# Altium PCB mainboard.PcbDoc (continued)
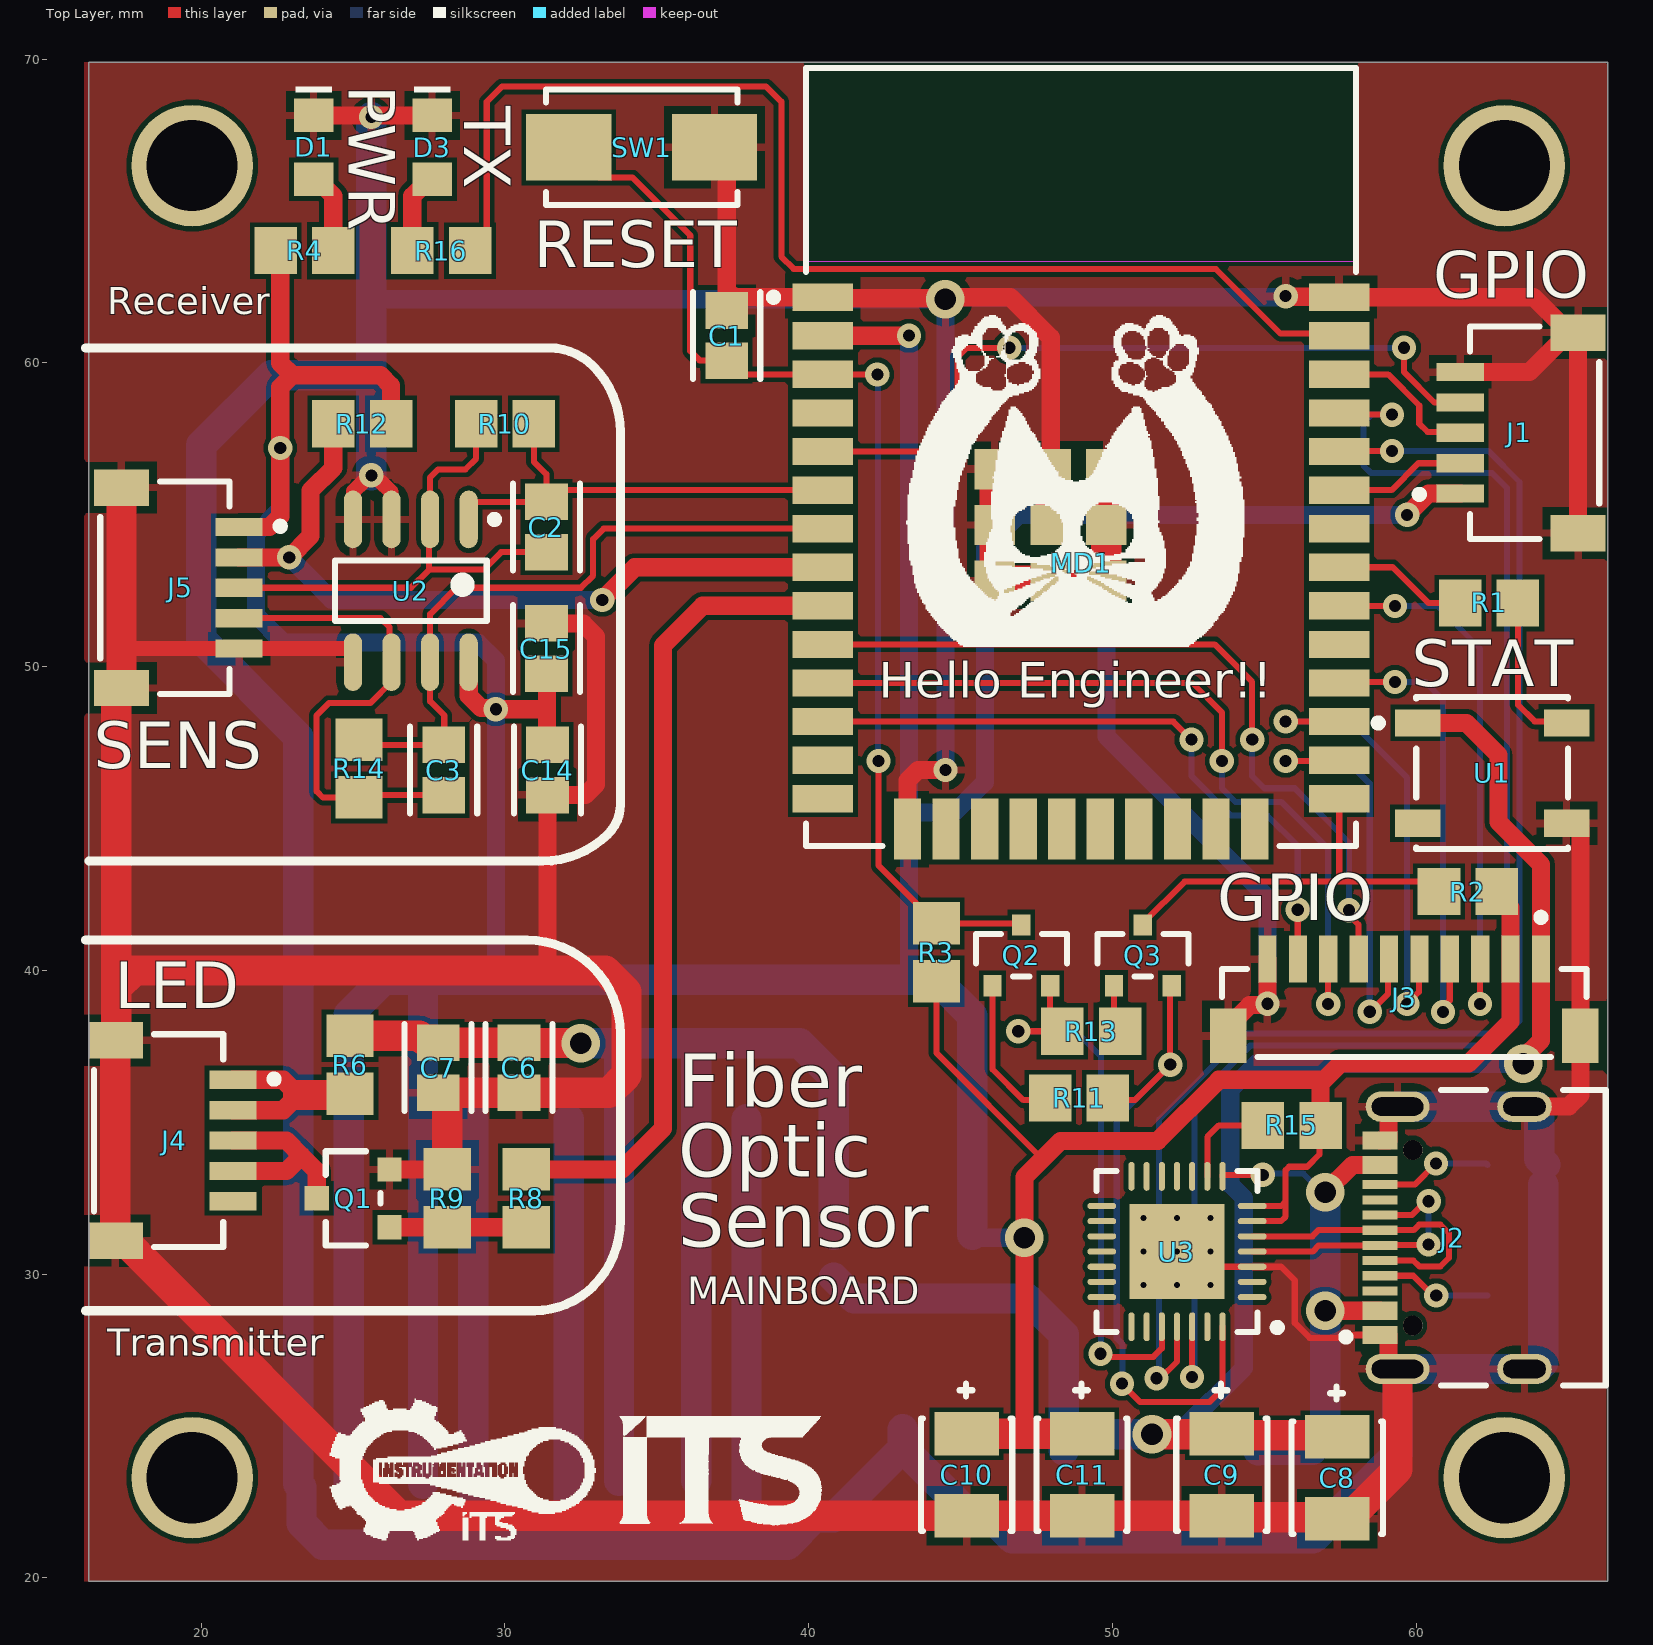
[diagram p0: Top Layer view]
## Footprints (in the part's own frame and the unit in brackets; to place one, negate y for a bottom-side part, rotate by r counter-clockwise, add the part's x,y. Pads: shape width x height; smd on the part's side, far side on the other; paste and mask are expansions set on the pad)
ADA-RGB-1655_V [mm] "SMD, 4-Leads, Body 5x5mm"
  rect 1.5x0.9 smd: 1(-2.45,1.65) 2(-2.45,-1.65) 3(2.45,-1.65) 4(2.45,1.65)
  silkscreen extent -3.87,-2.5 2.5,2.5, body extent -2.7,-2.5 2.7,2.5, height 1.68
ADI-R-8_L [mm] "SOIC, 8-Leads, Body 4.9x3.9mm, Pitch 1.27mm, IPC High Density"
  oval 1.9x0.6 smd: 1(-2.35,1.905) 2(-2.35,0.635) 3(-2.35,-0.635) 4(-2.35,-1.905) 5(2.35,-1.905) 6(2.35,-0.635) 7(2.35,0.635) 8(2.35,1.905)
  silkscreen extent -2.47,-2.5 1,2.88, body extent -2,-2.5 2,2.5, height 1.75
FP-95402-MFG [mm]
  rect 1.72x3.2 smd paste+0 mask+0: 1(-3.205,0) 2(3.205,0)
  silkscreen extent -4.82,-3.11 3.55,3.11, body extent -3.97,-2.95 3.97,2.95, height 2.62
FP-147873-1-MFG [mm]
  rect 2.8x2.2 smd paste+0 mask+0: 1(-2.4,0) 2(2.4,0)
  silkscreen extent -3.15,-1.9 3.15,1.9, body extent -3.9,-2 3.9,2, height 0.25
FP-BM10B-SRSS-TBT_LF_SN-MFG [mm]
  rect 0.6x1.55 smd paste+0 mask+0: 1(-4.5,-1.775) 2(-3.5,-1.775) 3(-2.5,-1.775) 4(-1.5,-1.775) 5(-0.5,-1.775) 6(0.5,-1.775) 7(1.5,-1.775) 8(2.5,-1.775) 9(3.5,-1.775) 10(4.5,-1.775)
  rect 1.2x1.8 smd paste+0 mask+0: 11(-5.8,0.75) 12(5.8,0.75)
  silkscreen extent -6,-3.27 6,1.45, body extent -6.5,-2.65 6.5,1.75, height 0.25
FP-ESP32-WROOM-32-MFG [mm]
  rect 2x0.9 smd paste+0 mask+0: 1(-8.5,5.26) 2(-8.5,3.99) 3(-8.5,2.72) 4(-8.5,1.45) 5(-8.5,0.18) 6(-8.5,-1.09) 7(-8.5,-2.36) 8(-8.5,-3.63) 9(-8.5,-4.9) 10(-8.5,-6.17) 11(-8.5,-7.44) 12(-8.5,-8.71) 13(-8.5,-9.98) 14(-8.5,-11.25) 25(8.5,-11.25) 26(8.5,-9.98) 27(8.5,-8.71) 28(8.5,-7.44) 29(8.5,-6.17) 30(8.5,-4.9) 31(8.5,-3.63) 32(8.5,-2.36) 33(8.5,-1.09) 34(8.5,0.18) 35(8.5,1.45) 36(8.5,2.72) 37(8.5,3.99) 38(8.5,5.26)
  rect 0.9x2 smd paste+0 mask+0: 15(-5.715,-12.25) 16(-4.445,-12.25) 17(-3.175,-12.25) 18(-1.905,-12.25) 19(-0.635,-12.25) 20(0.635,-12.25) 21(1.905,-12.25) 22(3.175,-12.25) 23(4.445,-12.25) 24(5.715,-12.25)
  rect 1.33x1.33 smd paste+0 mask+0: 39(-2.835,-4.075) 39(-2.835,-2.24) 39(-2.835,-0.405) 39(-1,-4.075) 39(-1,-2.24) 39(-1,-0.405) 39(0.835,-4.075) 39(0.835,-2.24) 39(0.835,-0.405)
  Keep-Out Layer region: -9,6.45 9,6.45 9,12.75 -9,12.75
  Keep-Out Layer region: -9,6.45 9,6.45 9,12.75 -9,12.75
  silkscreen extent -10.25,-12.8 9.05,12.8, body extent -9.6,-13.35 9.6,12.9, height 0.25
FP-GRM21B-0_15-IPC_B [mm]
  rect 1.206x1.408 smd paste+0 mask+0: 1(-0.826,0) 2(0.826,0)
  silkscreen extent -1.43,-1.1 1.43,1.1, body extent -1.68,-0.95 1.68,0.95, height 0.25
FP-SM05B-SRSS-G-TB_LF_SN-MFG [mm]
  rect 0.6x1.55 smd paste+0 mask+0: 1(-2,2.45) 2(-1,2.45) 3(0,2.45) 4(1,2.45) 5(2,2.45)
  rect 1.2x1.8 smd paste+0 mask+0: 6(-3.3,-1.425) 7(3.3,-1.425)
  silkscreen extent -3.5,-2.12 3.5,3.92, body extent -4,-2.42 4,3.32, height 0.25
FP-SOT23-MFG#1 [mm]
  rect 0.8x0.8 smd paste+0 mask+0: 1(-1.2,0.95) 2(-1.2,-0.95) 3(1.2,0)
  silkscreen extent -0.9,-1.55 0.9,1.55, body extent -1.7,-1.78 1.7,1.78, height 0.25
FP-SOT23-MFG#2 [mm]
  rect 0.7x0.6 smd paste-1000 mask+0: 1(-1,0.95) 2(-1,-0.95) 3(1,0)
  silkscreen extent -0.7,-1.5 0.7,1.5, body extent -1.5,-1.65 1.5,1.65, height 0.25
FP-T491B106K016AT-MFG [mm]
  rect 1.42x2.13 smd paste+0 mask+0: 1(-1.35,0) 2(1.35,0)
  silkscreen extent -1.85,-1.5 3,1.5, body extent -2.18,-1.62 2.18,1.62, height 0.25
FP-USB4105-GF-A-MFG [mm]
  rrect100% 1x2.1 hole 1.7 slot 0.6 at 0 deg paste-1000 mask+0: 1(-4.32,3.015) 2(4.32,3.015)
  rrect100% 1x1.8 hole 1.4 slot 0.6 at 0 deg paste-1000 mask+0: 3(-4.32,-1.165) 4(4.32,-1.165)
  rect 0.6x1.15 smd paste+0 mask+0: A1-B12(-3.2,3.59) A4-B9(-2.4,3.59) B1-A12(3.2,3.59) B4-A9(2.4,3.59)
  rect 0.3x1.15 smd paste+0 mask+0: A5(-1.25,3.59) A6(-0.25,3.59) A7(0.25,3.59) A8(1.25,3.59) B5(1.75,3.59) B6(0.75,3.59) B7(-0.75,3.59) B8(-1.75,3.59)
  round 0.65 hole 0.65 unplated paste-1000 mask+0: ""(-2.89,2.515) ""(2.89,2.515)
  silkscreen extent -4.86,-3.84 4.86,4.84, body extent -4.96,-3.94 4.96,4.27, height 0.25
RESC2013X60X40ML20T25 [mm] "Chip Resistor, 2-Leads, Body 2.00x1.25mm, IPC Low Density"
  rect 1.4x1.55 smd: 1(-0.95,0) 2(0.95,0)
  body extent -1.1,-0.72 1.1,0.72, height 0.6
SLAB-QFN-28-3125x3125TP_M [mm] "QFN, 28-Leads, Body 5x5mm, Pitch 0.5mm, Thermal Pad 3.13x3.13mm, IPC Low Density"
  oval 0.95x0.2 smd: 1(-2.475,1.5) 2(-2.475,1) 3(-2.475,0.5) 4(-2.475,0) 5(-2.475,-0.5) 6(-2.475,-1) 7(-2.475,-1.5) 15(2.475,-1.5) 16(2.475,-1) 17(2.475,-0.5) 18(2.475,0) 19(2.475,0.5) 20(2.475,1) 21(2.475,1.5)
  oval 0.2x0.95 smd: 8(-1.5,-2.475) 9(-1,-2.475) 10(-0.5,-2.475) 11(0,-2.475) 12(0.5,-2.475) 13(1,-2.475) 14(1.5,-2.475) 22(1.5,2.475) 23(1,2.475) 24(0.5,2.475) 25(0,2.475) 26(-0.5,2.475) 27(-1,2.475) 28(-1.5,2.475)
  rect 3.13x3.13 smd: 29(0,0)
  silkscreen extent -3.42,-2.65 2.65,2.65, body extent -2.5,-2.5 2.5,2.5, height 1
TO-252_M [mm] "D-PAK, 4-Leads, Body 6.1x6.5mm, Pitch 2.28mm, Lead Span 9.7mm, IPC Low Density"
  rect 2.4x1 smd: 1(-4.3,2.28) 3(-4.3,-2.28)
  rect 6.8x5.55 smd: 4(2.1,0)
  silkscreen extent -4.42,-3.3 -1.7,3.45, body extent -1.95,-3.3 4.25,3.3, height 2.4
WL-SMCW_0805_150080xx75000 [mm] "SMD Mono-color Chip LED, body 2.0x1.25mm"
  rect 1.1x1.3 smd: 1(-1.05,0) 2(1.05,0)
  silkscreen extent -2,-0.6 -1.8,0.6, body extent -1,-0.63 1,0.62, height 0.7

## Part data
C1 C2 C3 C4 C5 C6 C7 C12 C13 C14 C15 C16 C17 C18 C19 C20 C21 C22 C23 C24 C25 C26 C27 C28 C29 C30 C31: library part CMP-2007-03541-2, "Chip Multilayer Ceramic Capacitors for General Purpose, 0805, 10uF, X5R, 15%, 10%, 25V", Capacitance=10uF, Case Code (Imperial)=0805, Case Code (Metric)=2012, Dielectric=X5R, Max Operating Temperature=85°C, Min Operating Temperature=-55°C, Package Quantity=1, Tolerance=10%, Voltage=25V, Case/Package=0805, Depth=1.25mm, Height=1.25mm, Lead Free="Lead Free", Length=2mm, Material=Ceramic, Mount="Surface Mount", Packaging="Tape and Reel", Radiation Hardening=No, Termination=SMD/SMT, Thickness=0.053inch, Voltage Rating=25V, Voltage Rating (DC)=25V, Width=0.049inch
C8 C9 C10 C11: library part CMP-03017-000012-1, "CAP TANT 10UF 10% 16V 1411", Capacitance=10uF, Case Code (Imperial)=1411, Case Code (Metric)=3528, Dielectric Material=Tantalum, ESR (Equivalent Series Resistance)=2.8R, Leakage Current=1.6uA, Max Operating Temperature=125°C, Min Operating Temperature=-55°C, Package Quantity=1, Ripple Current=174mA, Tolerance=10%, Voltage=16V, Case/Package=1411, Depth=2.8mm, Dissipation Factor=6%, Features="General Purpose", Height=1.9mm, Height - Seated (Max)=0.083inch, Lead Free="Lead Free", Lead Pitch=1.9mm, Length=3.5mm, Life (Hours)=2000Hour, Mount="Surface Mount", Number of Pins=2, Packaging="Tape and Reel", Polarity=Polar, REACH SVHC="No SVHC", RoHS Compliant=Yes, Termination=SMD/SMT, Voltage Rating=16V, Voltage Rating (DC)=16V, Width=0.11inch
D1 D3: library part CMP-1426-00010-3, Case Code (Imperial)=0805, Case Code (Metric)=2012, Color=Red, Forward Current=100mA, Forward Voltage=1.9V, Max Junction Temperature (Tj)=95°C, Max Operating Temperature=85°C, Max Reverse Voltage (DC)=5V, Min Operating Temperature=-40°C, Power Dissipation=72mW, Test Current=20mA, Case/Package=0805, Dominant Wavelength=630nm, Height=700µm, Length=2mm, Lens Style="Clear, Rectangular", Luminous Intensity=60mcd, Mount="Surface Mount", NexarPartId=29717782, Packaging="Tape and Reel", Peak Wavelength=645nm, REACH SVHC=Unknown, Reverse Voltage=5V, RoHS=Compliant, Viewing Angle=140°, Wavelength=630nm, Width=1.25mm
D2: library part CMP-02539-000012-1, "DIODE SCHOTTKY 40V 3A DO214AB", Forward Current=3A, Manufacturer=Vishay, Max Junction Temp=+150°C, Max Repetitive Reverse Voltage=40V, Max Surge Forward Current=100A, Package=95402, Peak Reverse Current=0.5mA, Temperature="-55°C to +150°C", Temperature Range Low=-55°C, Automotive=No, Category=Diode, ComponentLink2Description=Datasheet, ComponentLink2URL=http://www.vishay.com/docs/88751/ss32.pdf, Device Class L1="Discrete Semiconductors", Device Class L2=Diodes, Device Class L3="Schottky Diodes", Digikey Description="DIODE SCHOTTKY 40V 3A DO214AB", Footprint Url=http://www.vishay.com/docs/95402/smc.pdf, Height=2.62mm, Lead Free=Yes, Manufacturer Part Number=SS34-E3/57T, Mouser Description="Schottky Diodes & Rectifiers 3.0 Amp 40 Volt", Octopart=https://octopart.com/ss34-e3%2F57t-vishay-39552907, RoHS=TRUE, Standoff Height=0mm, Temperature Range High=+150°C
J1 J4 J5: library part CMP-17439-000344-1, "CONN HEADER SMD R/A 5POS 1MM", Connector Type="Male Pin", Contact Plating=Tin, Contact Type="Male Pin", Lead Free="Lead Free", Mount="Surface Mount", Number of Pins=5, Number of Positions=5, Number of Rows=1, Packaging="Tape and Reel", Pitch=0.039inch, Series=SR, Termination=Solder
J2: library part CMP-245163-000001-1, "CONN RCPT USB2.0 TYPEC 5A", Current Rating=5/6.25/1.25/0.25A, Manufacturer=GCT, Manufacturer Part Number=USB4105-GF-A, Package=0, Temperature="-40°C to +85°C", Temperature Range High=+85°C, Temperature Range Low=-40°C, Voltage Rating=20V, Automotive=No, Category=Conn, ComponentLink2Description=Datasheet, ComponentLink2URL=https://gct.co/files/drawings/usb4105.pdf, Conn Orientation="Right Angle", Contact Material=Gold,Nickel, Device Class L1=Connectors, Device Class L2="USB Connectors", Device Class L3=unset, Digikey Description="CONN RCPT USB2.0 TYPEC 5A", Height=3.46mm, Is Female=yes, Lead Free=Yes, Number Of Contacts=16, Octopart=https://octopart.com/usb4105-gf-a-gct-106627878, RoHS=TRUE, Usb Standard="USB 2.0"
J3: library part CMP-17439-000586-1, "CONN HEADER SMD 10POS 1MM", Lead Free="Lead Free", Number of Positions=10, Pitch=1mm, Termination=Crimp
MD1: library part CMP-194065-000008-1, "RX TXRX MOD WIFI SURFACE MOUNT", Case/Package=SMD/SMT, Frequency=2.5GHz, Max Operating Temperature=85°C, Min Operating Temperature=-40°C, Operating Supply Voltage=3.6V, Package Quantity=550, Data Rate=150Mbps, Mount="Surface Mount", Packaging="Cut Tape", Sensitivity=-98dBm, Weight=0.088185oz
Q1: library part CMP-83955-000006-1, "MOSFET N-CH 30V 5.7A SOT23", Case/Package=SOT-23, Continuous Drain Current (ID)=5.7A, Drain to Source Voltage (Vdss)=30V, Gate to Source Voltage (Vgs)=12V, Input Capacitance=630pF, Max Operating Temperature=150°C, Max Power Dissipation=1.4W, Min Operating Temperature=-55°C, Lead Free="Lead Free", Mount="Surface Mount", Number of Elements=1, Number of Pins=3, Packaging="Tape and Reel", Power Dissipation=1.4W, Radiation Hardening=No, Rds On Max=26.5mR
Q2 Q3: library part CMP-14406-000007-1, "TRANS NPN 45V 0.5A SOT23", Ambient Temperature Range High=+150°C, Ambient Temperature Range Low=-65°C, Collector Base Voltage=50V, Collector Emitter Breakdown Voltage=45V, Collector Emitter Saturation Voltage=700mV, Emitter Base Voltage=5V, Manufacturer=Nexperia, Manufacturer Part Number=BC817-40,215, Max Collector Current=500mA, Package=SOT23, Power Dissipation=250mW, Temperature="to +150°C", Unity Gain Freq=100MHz, Automotive=Yes, Automotive Grade="Grade 0", Category=Trans, Collector Emitter Voltage=45V, ComponentLink2Description=Datasheet, ComponentLink2URL=https://assets.nexperia.com/documents/data-sheet/BC817_SER.pdf, Device Class L1="Discrete Semiconductors", Device Class L2=Transistors, Device Class L3=BJTs, Digikey Description="TRANS NPN 45V 0.5A SOT23", Footprint Url=https://assets.nexperia.com/documents/outline-drawing/SOT23.pdf, Height=1.1mm, Hfe Max=600, Hfe Min=250, Hfe Testic=100mA, Hfe Testvce=1V, Ipc Land Pattern Name=SOT95P230X100-3, Lead Free=Yes, Max Junction Temp=+150°C, Mouser Description="BC817 Series 45 V 500 mA 250 mW SMT NPN General-Purpose Transistor - SOT-23-", Number of Elements=1, Number Of Npn=1, Octopart=https://octopart.com/bc817-40%2C215-nexperia-78739081, RoHS=TRUE, Rthja Max=500K/W, Temperature Range High=+150°C
R1 R2 R3 R4 R5 R6 R7 R8 R9 R10 R11 R12 R13 R14 R15 R16: library part CMP-2001-00644-1, Manufacturer=Panasonic, Part Number=ERA6AEB472V
SW1: library part CMP-03407-000005-1, "SWITCH TACTILE SPST-NO 0.05A 24V", Contact Current Rating=50mA, Contact Resistance=100mΩ, Manufacturer="TE Connectivity", Manufacturer Part Number=147873-1, Operating Force=180gf, Package=0, Temperature="-35°C to +85°C", Temperature Range High=+85°C, Temperature Range Low=-35°C, Voltage Rating Dc=24V, Automotive=No, Category=Switch, ComponentLink2Description=Datasheet, ComponentLink2URL=https://www.te.com/commerce/DocumentDelivery/DDEController?Action=showdoc&DocId=Customer+Drawing%7F147873%7FK3%7Fpdf%7FEnglish%7FENG_CD_147873_K3.pdf%7F147873-1, Device Class L1=Electromechanical, Device Class L2=Switches, Device Class L3="Tactile Switches", Digikey Description="SWITCH TACTILE SPST-NO 0.05A 24V", Electromechanical Life=40000Cycles, Height=5.5mm, Lead Free=Yes, Mount="Surface Mount", Mouser Description="Switch Tactile OFF (ON) SPST Rectangular Button J-Bend 0.05A 24VDC 1.77N SMD T/R", Octopart=https://octopart.com/147873-1-te+connectivity-40818451, RoHS=TRUE, Throw Configuration=SPST-NO
U1: library part CMP-2000-05026-1, "Intelligent Control LED Integrated Light Source, 3.5 to 5.3 V, -25 to 80 degC, 4-Pin SMD, RoHS, Tape and Reel", Color=Red,Green,Blue(RGB), Manufacturer=Adafruit-Industries-LLC, Package Description="4-Pin Surface Mount Device, Body 5 x 5 mm", Package Reference=1655, Category=Optoelectronics, Configuration=Discrete, Controller Type=-, Datasheet URL=http://datasheet.octopart.com/ADA1655-Adafruit-Industries-datasheet-32028139.pdf, Datasheet Version=May-13, Family=Addressable,Specialty, Interface=-, Manufacturer URL=https://www.adafruit.com/, Mounting Type=SurfaceMount, Number of LEDs=10, Series=Neopixel, Size / Dimension=5.00mmLx5.00mmW, Utilized LED=WS2812(5050)
U2: library part CMP-0384-00939-1, "Double Channel Rail-to-Rail Operational Amplifier, 16 MHz BW, 25 V/us SR, Industrial, 8-pin SOIC (R-8), Tube", Amplifiers Per Package=2, Generic Part Number=AD823, Input Bias Current=5pA, Input Offset Voltage=700uV, Manufacturer="Analog Devices", Code_JEDEC=MS-012-AA, ComponentLink1Description="Manufacturer URL", ComponentLink1URL=http://www.analog.com/en/index.html, ComponentLink2Description=Datasheet, ComponentLink2URL=http://www.analog.com/static/imported-files/data_sheets/AD823.pdf, ComponentLink3Description="Package Specification", ComponentLink3URL=http://www.analog.com/static/imported-files/packages/PKG_PDF/SOIC_Narrow%20(R)/R_8.pdf, DatasheetVersion="Rev. E", Iq/Amp=4.2mA, Mounting Technology="Surface Mount", PackageDescription="8-Pin Standard Small Outline Package, Body 3.9 x 4.9 mm, Pitch 1.27 mm", PackageReference=R-8, PackageVersion=060506-A, PartNumber=AD823AR, Slew Rate=25V/us, Small Signal Bandwidth=16MHz, V Span Max=36V, V Span Min=3V
U3: library part CMP-2000-04924-1, "Single-Chip USB to URAT Bridge, 3.3 V, -40 to 85 degC, 28-Pin QFN, RoHS, Tape and Reel", Manufacturer="Silicon Labs", Operating Supply Voltage (Max)=3.6V, Operating Supply Voltage (Min)=3V, Operating Supply Voltage (Typ)=3.3V, Operating Temperature (Max)=85C, Operating Temperature (Min)=-40C, Operating Temperature Classification=Industrial, Package Description="28-Pin Quad-Flat No-Leads Package, Body 5 x 5 mm, Pitch 0.5 mm", Package Reference=QFN-28, Package Type=QFNEP, Supply Current=26mA, Data Rate=1000kbps, Datasheet URL=http://www.mouser.com/ds/2/368/CP2102-9-247052.pdf, Datasheet Version="Rev. 1.6, 12/2013", Interface Circuit Standard 1=RS-232, Manufacturer URL=http://www.silabs.com/, Mounting=SurfaceMount, Number of Channels=1, Package URL=http://www.silabs.com/Support%20Documents/TechnicalDocs/C8051T61x.pdf, Packaging=TapeandReel, Pin Count=28, Rad Hardened=No, Transmitter and Receiver FIFO Counter=No
U4: library part CMP-0244-00072-1, "Very Low Drop Voltage Regulators with Inhibit, 3.3V, 3-Pin DPAK, Tape and Reel", ComponentLink1Description="Manufacturer URL", ComponentLink1URL=http://www.st.com, ComponentLink2Description=Datasheet, ComponentLink2URL=http://www.st.com/internet/com/TECHNICAL_RESOURCES/TECHNICAL_LITERATURE/DATASHEET/CD00000970.pdf, DatasheetVersion=21/02/2008, PackageDescription="3-Pin Transistor Outline Package 2.28 mm Pitch, 9.7 mm Lead Span (DPAK)", PackageReference=TO-252, PackageVersion=2011

## Free pads (board coordinates)
  round 4 hole 3: 2(62.9,66.5) 3(19.7,66.5) 4(19.7,23.3) 5(62.9,23.3)

## Via types
v1: diameter 0.8, hole 0.4, Top Layer to Bottom Layer, 43 vias
v2: diameter 0.5, hole 0.2, Top Layer to Bottom Layer, 9 vias
v3: diameter 1.27, hole 0.711, Top Layer to Bottom Layer, 7 vias

## Nets (pads, with @x,y where several pads share a name; then routed paths per layer and width w, separated by ;. In a path a pad name is that pad's centre, name@x,y a point inside that pad or via, vN(x,y) a via of type N, cw(c..) or ccw(c..) an arc to the next point about the centre after c; other vN are vias at no path point)
+3v3: C10.2 C11.2 C12.2 C13.2 C14.2 C15.2 C24.2 C25.2 C26.2 C27.2 C28.2 C29.2 C30.2 C31.2 J1.1 J3.2 J5.1 MD1.2 R2.2 R3.2 R4.2 R12.2 R15.1 U2.8 U3.6 U3.7 U4.3 | length 210.2
  Top Layer w0.2: R3.2 44.2,37.289 47.694,33.794 ; U3.6 55.547,31.747 55.7,31.9 55.7,32.4 ; U3.7 55.547,32.247 55.7,32.4 ; R15.1@56.813,34.863 56.813,33.942 56.411,33.54 55.817,33.54 55.7,33.423 55.7,32.4
  Top Layer w0.6: J5.1 22.249,54.6 22.6,54.951 v1(22.6,57.2) 22.6,59.2 23,59.6 ; R4.2 22.6,63.55 22.6,60 23,59.6 ; R12.2 26.25,59.249 25.899,59.6 23,59.6 ; U2.8 28.805,49.046 29.213,48.638 29.662,48.638 v1(29.7,48.6) 31.382,48.6 ; C15.2 31.382,49.755 31.382,48.6 ; C14.2 31.382,47.445 31.382,48.6 ; MD1.2 40.468,60.897 43.297,60.897 v1(43.3,60.9) ; 47.1,24.75 v3(47.1,31.2) 47.1,33.2 47.694,33.794 48.289,34.389 51.489,34.389 53.5,36.4 56.966,36.4 ; R15.1 56.85,36.284 56.966,36.4 ; v1@59.738,55.038 60.4,55.7 J1.1 ; R2.2@63.05,42.6 63,42.55 63,42.5 62.9,42.6 R2.2 62.65,42.525 63.104,42.071 J3.2 63.104,38.321 61.721,36.937 57.503,36.937 56.966,36.4
  Top Layer w1: C10.2 47.1,24.75 C11.2
  Bottom Layer w0.6: v1(22.6,57.2) 22.6,55.173 21.8,54.373 21.8,51.7 22.7,50.8 29.1,50.8 29.7,50.2 v1(29.7,48.6) 29.7,39.8 29.6,39.7 ; 43.3,39.7 43.3,45.2 ; v1(43.3,60.9) 43.3,45.2 ; U4.3 45.48,31.2 v3(47.1,31.2) ; v1(59.7,55) 46.9,55 45.8,53.9 45.8,46.2 44.8,45.2 43.3,45.2
  Bottom Layer w1: C28.2 C27.2 C31.2 C26.2 C25.2 24.852,38.552 26,39.7 27.3,39.7 ; C12.2 C13.2 C30.2 C29.2 C24.2 27.3,39.7 ; U4.3 45.38,38.52 44.2,39.7 43.3,39.7 29.6,39.7 27.3,39.7
+5: C4.2 C5.2 C6.2 C7.2 C8.2 C9.2 C16.2 C17.2 C18.2 C19.2 C20.2 C21.2 C22.2 C23.2 D2.1 J3.1 R6.2 U1.1 U4.1 | length 109.2
  Top Layer w0.6: U1.1 61.65,48.15 62.711,47.089 62.711,44.885 64.104,43.491 J3.1 64.104,37.7 63.52,37.115 v3(63.52,36.934)
  Top Layer w1: R6.2 27.175,37.85 27.296,37.729 27.697,37.729 C7.2 C6.2 30.476,37.613 32.487,37.613 v3(32.5,37.6) ; v3(51.302,24.727) 51.313,24.738 53.588,24.738 C9.2 53.65,24.7 57.35,24.7 C8.2
  Bottom Layer w0.6: v3(51.302,24.727) 51.424,24.849 52.253,24.849 54.324,26.92 54.324,32.514 53.879,32.959 53.879,36.078 54.73,36.929 v3@63.514,36.929
  Bottom Layer w1: v3(32.5,37.6) 33.8,37.6 ; C22.2 C20.2 C23.2 C5.2 C4.2 33.752,37.552 33.8,37.6 ; C19.2 C18.2 C17.2 C16.2 C21.2 36.3,37.5 36.2,37.6 ; 40.82,29.88 41.5,29.2 47.2,29.2 48.395,28.005 D2.1@48.395,24.367 ; U4.1 40.82,36.48 39.7,37.6 36.2,37.6 ; D2.1 48.395,24.34 D2.1@48.395,24.367 ; v3(51.302,24.727) 48.755,24.727 D2.1@48.395,24.367 ; 33.8,37.6 36.2,37.6
GND: C1.1 C4.1 C5.1 C6.1 C7.1 C8.1 C9.1 C10.1 C11.1 C12.1 C13.1 C14.1 C15.1 C16.1 C17.1 C18.1 C19.1 C20.1 C21.1 C22.1 C23.1 C24.1 C25.1 C26.1 C27.1 C28.1 C29.1 C30.1 C31.1 D1.1 D3.1 J1.5 J1.6 J1.7 J2.1 J2.2 J2.3 J2.4 J2.A1-B12 J2.B1-A12 J3.10 J3.11 J3.12 J4.6 J4.7 J5.5 J5.6 J5.7 MD1.1 MD1.15 MD1.38 MD1.39 Q1.2 R5.1 R7.1 R9.2 SW1.2 U1.3 U2.3 U2.4 U2.5 U3.3 U3.29 U4.4 | length 440.2
  Top Layer w0.2: v2(52.124,30.747) 52.624,30.247 U3.3 55.553,30.247 56,29.8 56,28.4 56.495,27.905 57.435,27.905 57.53,28 J2.A1-B12
  Top Layer w0.5: 17.375,50.7 17.475,50.6 J5.5 24.949,50.6 24.995,50.554 U2.5 ; U2.4 25.014,54.869 25.014,55.776 v1@25.338,56.1 ; v1@25.907,56.1 26.246,55.761 26.246,54.869 U2.3
  Top Layer w0.6: D1.1 D3.1 ; Q1.2 R9.2 ; 31.3,40 31.4,40.1 C14.1 32.649,45.774 33,46.125 33,51 32.574,51.426 C15.1 ; SW1.2 37.3,66.7 37.3,62.4 37.535,62.165 MD1.1 40.497,62.132 44.468,62.132 v3(44.5,62.1) 44.565,62.165 46.635,62.165 47.965,60.835 MD1.39@47.965,56.5 ; MD1.15 43.25,46.249 43.601,46.6 v1(44.5,46.6) ; v1(49.795,51.581) 49.798,51.583 49.798,52.828 MD1.39@49.8,52.83 ; J3.12@53.854,37.9 J3.12 53.804,38.15 54.522,38.868 55.063,38.868 v1(55.101,38.906) 55.104,38.909 J3.10 ; v1(55.7,62.2) 55.718,62.182 57.448,62.182 MD1.38 63.86,62.165 65.025,61 63.725,59.7 J1.5 ; J2.A1-B12 59.085,28 59.085,27.065 59.27,26.88 J2.1 ; J2.B1-A12 59.085,34.4 59.085,35.335 59.27,35.52 J2.2 ; J2.4 65.02,35.52 65.404,35.904 J3.11 65.404,44.696 65.25,44.85 U1.3 ; J1.6 J1.7
  Top Layer w1: J5.6 17.375,50.7 J5.7 17.3,49.3 17.2,49.2 17.2,39.414 ; C7.1 C7.1@27.901,35.974 ; R9.2 28.1,35.775 C7.1@27.901,35.974 ; MD1.39@47.965,54.665 47.965,56.5 46.13,56.5 46.13,54.665 46.13,52.83 47.965,52.83 49.8,52.83 49.8,54.665 MD1.39@49.8,56.5 ; J2.1 59.385,23.58 57.755,21.95 C8.1 57.35,22 53.65,22 C9.1 C11.1 C10.1 26.525,22.05 17.475,31.1 J4.7 J4.6 17.2,37.725 17.2,39.414 ; 17.2,39.414 17.786,40 31.3,40 33.3,40 34,39.3 34,36.56 33.414,35.974 C6.1 C7.1@27.901,35.974
  Bottom Layer w0.6: 25.6,62.1 v3(44.5,62.1) ; v1(44.5,46.6) v3(44.5,62.1) ; v1(49.795,51.581) 49.8,51.576 49.8,47.7 55.101,42.399 v1(55.101,38.906) ; v1(55.7,62.2) 55.662,62.162 44.562,62.162 v3(44.5,62.1)
  Bottom Layer w1: v1(25.6,56.3) 25.6,59.6 ; v1(25.6,68.1) 25.6,62.1 25.6,59.6 ; C24.1 C29.1 C30.1 C13.1 C12.1 29,23.052 29,21.1 ; C4.1 C5.1 C23.1 C20.1 C22.1 32.1,21.1 ; C21.1 C16.1 C17.1 C18.1 C19.1 37.952,21.148 38,21.1 ; U4.4 U4.4@43.1,24.275 ; J2.2 J2.4 63.965,35.52 64.05,35.435 64.05,33.8 R7.1 ; R7.1@64.178,32.944 64.178,29.962 64.178,27.093 63.965,26.88 J2.3 J2.1 59.385,24.085 56.6,21.3 46.7,21.3 46,22 45.375,22 U4.4@43.1,24.275 ; 25.6,59.6 22.3,59.6 20,57.3 20,50.9 23.2,47.7 C25.1 C26.1 C31.1 C27.1 C28.1 23.303,22.997 23.303,21.797 24,21.1 29,21.1 ; 29,21.1 32.1,21.1 ; 32.1,21.1 38,21.1 ; 38,21.1 39.3,21.1 40.2,22 40.825,22 U4.4@43.1,24.275
  other v2: 51.024,29.647 52.124,29.647 53.224,29.647 51.024,30.747 53.224,30.747 51.024,31.847 52.124,31.847 53.224,31.847
NetC1_2: C1.2 MD1.3 Q2.3 R3.1 SW1.1 | length 37.2
  Top Layer w0.2: SW1.1 33.1,66.1 34.2,66.1 36.1,64.2 36.1,60.4 36.413,60.087 37.287,60.087 C1.2 ; C1.2@37.351,60.124 37.85,59.625 MD1.3 40.467,59.623 v1(42.26,59.623) ; v1(42.3,46.9) 42.3,43.45 43.525,42.225 43.525,42.15 44.125,41.55 R3.1 46.95,41.55 Q2.3
  Bottom Layer w0.2: v1(42.26,59.623) 42.28,59.603 42.28,46.92 v1(42.3,46.9)
NetC2_1: C2.1 J5.3 R10.1 U2.2 | length 16.6
  Top Layer w0.2: J5.3 26.9,52.6 27.5,53.2 ; R10.1 29.05,56.85 28.7,56.5 27.8,56.5 27.535,56.235 U2.2 27.5,54.815 27.5,53.2 ; C2.1 29.874,53.774 29.3,53.2 27.5,53.2
NetC2_2: C2.2 MD1.6 R10.2 U2.1 | length 15
  Top Layer w0.2: U2.1 28.805,55.241 28.99,55.426 C2.2 ; R10.2 30.95,56.75 31.363,56.337 C2.2 ; MD1.6 31.752,55.815 C2.2
NetC3_1: C3.1 J5.4 R14.1 U2.6 | length 16.6
  Top Layer w0.2: J5.4 25.9,51.6 26.2,51.3 26.2,50.215 U2.6 26.265,49.5 25.565,48.8 24.2,48.8 23.8,48.4 23.8,45.9 24.004,45.696 R14.1 25.278,45.774 C3.1
NetC3_2: C3.2 MD1.7 R14.2 U2.7 | length 22.2
  Top Layer w0.2: R14.2 25.369,47.426 C3.2 28,47.443 28,48.4 27.535,48.865 U2.7 27.535,51.735 28.4,52.6 32.5,52.6 32.9,53 32.9,54.2 33.245,54.545 MD1.7
NetD1_2: D1.2 R4.1 | length 2.7
  Top Layer w0.6: D1.2 23.8,66.05 24.35,65.5 R4.1
NetD2_2: D2.2 J2.A4-B9 J2.B4-A9 U3.8 | length 18.2
  Top Layer w0.2: U3.8 53.624,33.273 v1(54.946,33.273)
  Top Layer w0.5: J2.A4-B9@58.76,28.75 J2.A4-B9
  Top Layer w0.6: v3(57,28.8) J2.A4-B9 ; v3(57,32.7) 57.9,33.6 J2.B4-A9
  Bottom Layer w0.2: v1(54.946,33.273) 54.983,33.311 56.289,33.311 56.899,32.7 v3(57,32.7)
  Bottom Layer w1: D2.2 54.827,24.222 56.579,24.222 ; 56.579,24.256 57.006,24.683 57,24.69 v3(57,28.8) v3(57,32.7)
NetD3_2: D3.2 R16.1 | length 2.7
  Top Layer w0.6: R16.1 26.95,65.5 27.5,66.05 D3.2
NetJ1_2: J1.2 MD1.33 | length 4.4
  Top Layer w0.2: MD1.33 59.187,55.815 60.072,56.7 J1.2
NetJ1_3: J1.3 MD1.36 | length 5.1
  Top Layer w0.2: MD1.36 59.076,59.624 60.1,58.6 60.1,58 60.37,57.73 61.42,57.73 J1.3
NetJ1_4: J1.4 MD1.5 | length 25.2
  Top Layer w0.2: MD1.5 44.485,57.085 44.9,57.5 44.9,60.2 45.2,60.5 v1(46.6,60.5) ; v1(59.6,60.5) 59.6,59.7 60.6,58.7 J1.4
  Bottom Layer w0.2: v1(46.6,60.5) v1(59.6,60.5)
NetJ2_A5: J2.A5 R5.2 | length 3.9
  Top Layer w0.2: J2.A5@58.818,29.958 J2.A5 59.902,29.95 60.549,29.303 v1(60.658,29.303) v1@60.574,29.386
  Bottom Layer w0.2: v1(60.658,29.303) 62.347,29.303 R5.2
NetJ2_A6: J2.A6 J2.B6 U3.4 | length 9.2
  Top Layer w0.2: U3.4 56.587,30.747 56.79,30.95 J2.A6 58.823,30.963 60.388,30.963 v1(60.401,30.976) ; J2.B6 58.814,31.954 59.513,31.954 59.866,31.954 60.313,32.402 v1(60.408,32.402) v1@60.345,32.339
  Bottom Layer w0.2: v1(60.401,30.976) 60.404,30.98 60.404,32.398 v1(60.408,32.402)
NetJ2_A7: J2.A7 J2.B7 U3.5 | length 10
  Top Layer w0.2: U3.5 56.578,31.247 56.781,31.45 J2.A7 59.912,31.45 60.098,31.636 60.8,31.636 61.08,31.356 61.08,30.54 60.8,30.26 60.102,30.26 59.911,30.45 J2.B7
NetJ2_B5: J2.B5 R7.2 | length 3.8
  Top Layer w0.2: J2.B5 59.954,32.95 v1(60.652,33.648)
  Bottom Layer w0.2: v1(60.652,33.648) 62.302,33.648 R7.2
NetJ3_3: J3.3 MD1.30 | length 18.4
  Top Layer w0.2: MD1.30 57.47,52 v1(59.3,52) ; v1(62.1,38.9) 62.1,40.371 J3.3
  Bottom Layer w0.2: v1(59.3,52) 60.7,52 62.1,50.6 v1(62.1,38.9)
NetJ3_4: J3.4 MD1.28 | length 15.8
  Top Layer w0.2: MD1.28 57.5,49.5 v1(59.3,49.5) ; v1(60.88,38.631) 60.88,38.794 61.104,39.018 J3.4
  Bottom Layer w0.2: v1(59.3,49.5) 60.3,49.5 60.88,48.92 v1(60.88,38.631)
NetJ3_5: J3.5 MD1.27 | length 15.6
  Top Layer w0.2: v1(55.7,48.2) 57.46,48.2 MD1.27 ; v1(59.7,38.9) 59.7,38.908 60.092,39.3 60.092,40.362 J3.5
  Bottom Layer w0.2: v1(55.7,48.2) 57.846,48.2 59.7,46.346 v1(59.7,38.9)
NetJ3_6: J3.6 MD1.26 | length 14.4
  Top Layer w0.2: v1(55.7,46.9) 57.44,46.9 MD1.26 ; v1(58.469,38.639) 58.486,38.639 59.075,39.229 59.075,40.346 J3.6
  Bottom Layer w0.2: v1(55.7,46.9) 57.72,46.9 58.469,46.151 v1(58.469,38.639)
NetJ3_7: J3.7 MD1.10 | length 25.8
  Top Layer w0.2: MD1.10 53.365,50.735 54.6,49.5 v1(54.6,47.6) ; v1(57.787,41.986) 57.787,41.823 58.1,41.51 58.1,40.379 J3.7
  Bottom Layer w0.2: v1(54.6,47.6) 54.6,46.4 55,46 56,46 57.787,44.213 v1(57.787,41.986)
NetJ3_8: J3.8 MD1.11 | length 26.9
  Top Layer w0.2: MD1.11 52.635,49.465 53.6,48.5 v1(53.6,46.9) ; v1(57.1,38.9) 57.1,40.371 J3.8
  Bottom Layer w0.2: v1(53.6,46.9) 53.6,46 54.054,45.546 55.567,45.546 57.1,44.013 v1(57.1,38.9)
NetJ3_9: J3.9 MD1.12 | length 21.8
  Top Layer w0.2: MD1.12 52.005,48.195 v1(52.6,47.6) ; v1(56.1,42) 56.1,40.379 J3.9
  Bottom Layer w0.2: v1(52.6,47.6) 52.6,46.405 53.905,45.1 55.1,45.1 56.1,44.1 v1(56.1,42)
NetJ4_1: J4.1 J4.2 R6.1 | length 7.1
  Top Layer w0.2: R6.1@24.45,36.4 R6.1
  Top Layer w0.6: J4.2 22.7,35.4 23.2,35.9 22.7,36.4 J4.1
  Top Layer w1: 23.2,35.9 24.85,35.9 R6.1
NetJ4_3: J4.3 J4.4 Q1.3 | length 6.5
  Top Layer w0.6: J4.4 22.8,33.4 23.3,33.9 ; J4.3 22.8,34.4 23.3,33.9 ; Q1.3 23.8,33.4 23.3,33.9
NetJ5_2: J5.2 MD1.8 R12.1 | length 25.2
  Top Layer w0.6: J5.2 v1(22.9,53.6) 23.6,54.3 23.6,55.8 24.35,56.55 R12.1 ; v1(33.2,52.2) 34.275,53.275 MD1.8
  Bottom Layer w0.6: v1(22.9,53.6) 24.3,52.2 v1(33.2,52.2)
NetMD1_9: MD1.9 R8.2 | length 26.8
  Top Layer w0.6: R8.2 33.85,33.45 35.2,34.8 35.2,50.7 36.505,52.005 MD1.9
NetMD1_25: MD1.25 Q3.3 R2.1 | length 13.2
  Top Layer w0.2: Q3.3 51,41.55 52.373,42.923 57.465,42.923 ; MD1.25 57.465,42.923 ; R2.1 60.427,42.923 57.465,42.923
NetMD1_31: MD1.31 R1.2 | length 4.5
  Top Layer w0.2: MD1.31 59.225,53.275 60.4,52.1 R1.2
NetMD1_34: MD1.34 U3.26 | length 46.7
  Top Layer w0.2: v1(52.616,26.618) 52.624,26.626 U3.26 ; MD1.34@57.436,57.114 MD1.34 57.48,57.1 v1(59.2,57.1)
  Bottom Layer w0.2: v1(52.616,26.618) 52.7,26.701 52.7,35.691 54.534,37.525 62.589,37.525 63.4,38.336 63.4,56.082 62.382,57.1 v1(59.2,57.1)
NetMD1_35: MD1.35 U3.25 | length 50.1
  Top Layer w0.2: v1(51.452,26.576) 51.574,26.576 52.124,27.126 U3.25 ; MD1.35@57.436,58.384 MD1.35 57.52,58.3 v1(59.2,58.3)
  Bottom Layer w0.2: v1(51.452,26.576) 51.534,26.658 51.534,35.095 54.359,37.92 62.423,37.92 62.992,38.489 62.992,55.882 62.491,56.383 58.504,56.383 58.262,56.624 58.262,58.027 58.535,58.3 v1(59.2,58.3)
NetMD1_37: MD1.37 R16.2 | length 39.8
  Top Layer w0.2: R16.2 29.4,64.25 29.4,68.6 29.9,69.1 38.6,69.1 39.1,68.6 39.1,63.5 39.5,63.1 39.852,63.1 39.857,63.095 53.405,63.095 55.528,60.972 57.388,60.972 MD1.37
NetQ1_1: Q1.1 R8.1 R9.1 | length 4.5
  Top Layer w0.6: Q1.1 R9.1 R8.1
NetQ2_1: Q2.1 R11.1 | length 5.2
  Top Layer w0.2: Q2.1 46.05,36.75 47.067,35.733 47.717,35.733 R11.1@47.95,35.5
NetQ2_2: Q2.2 R13.2 U3.24 | length 18.6
  Top Layer w0.2: v1(46.9,38) 47.75,38 47.95,37.8 Q2.2 ; v1(49.605,27.381) 49.705,27.282 51.348,27.282 51.624,27.558 U3.24
  Bottom Layer w0.2: v1(46.9,38) 48.8,38 49.618,37.182 49.618,27.394 v1(49.605,27.381)
NetQ3_1: Q3.1 R13.1 | length 1.8
  Top Layer w0.2: R13.1@49.85,37.8 50.05,38 Q3.1
NetQ3_2: Q3.2 R11.2 U3.28 | length 22.3
  Top Layer w0.2: R11.2@49.95,35.5 50.183,35.733 50.733,35.733 v1(51.9,36.9) 51.9,39.45 Q3.2 ; v1(50.312,26.398) 50.312,26.388 50.9,25.8 53.2,25.8 53.624,26.224 U3.28
  Bottom Layer w0.2: v1(50.312,26.398) 50.332,26.419 50.332,27.697 50.142,27.888 50.142,35.142 v1(51.9,36.9)
NetR1_1: R1.1 U1.4 | length 5.2
  Top Layer w0.2: R1.1 63.35,48.75 63.9,48.2 64.9,48.2 U1.4
NetR15_2: R15.2 U3.9 | length 3.3
  Top Layer w0.2: U3.9 53.124,34.524 53.5,34.9 R15.2
pads on no net: J2. J2.A8 J2.B8 J4.5 MD1.4 MD1.13 MD1.14 MD1.16 MD1.17 MD1.18 MD1.19 MD1.20 MD1.21 MD1.22 MD1.23 MD1.24 MD1.29 MD1.32 U1.2 U3.1 U3.2 U3.10 U3.11 U3.12 U3.13 U3.14 U3.15 U3.16 U3.17 U3.18 U3.19 U3.20 U3.21 U3.22 U3.23 U3.27

## Polygon pours and split planes (outlines as drawn)
GND on Top Layer "GND_L01_P000" (solid, pour order 0): 16.15,69.9 65.15,69.9 66,69.9 66.3,69.9 66.25,19.9 16.15,19.9
GND on Bottom Layer "GND_L02_P002" (solid, pour order 2): 16.2,69.9 66.2,69.9 66.2,19.9 66.1,19.8 16.2,19.8

## Silkscreen, mask and mechanical layers (free items; w line width, h text height)
Top Overlay:
  drawing of 30 lines, arcs and shapes, not listed
  text "PWR" at 24.854,69.146 h1.52 r270
  text "TX" at 28.654,68.446 h1.52 r270
  text "RESET" at 30.954,63.154 h1.52
  text "GPIO" at 60.554,62.154 h1.52
  text "Receiver" at 16.9,61.316 h1.52
  text "STAT" at 59.854,49.354 h1.52
  text "Hello Engineer!!" at 42.3,48.578 h2
  text "SENS" at 16.454,46.654 h1.52
  text "GPIO" at 53.454,41.654 h1.52
  text "LED" at 17.154,38.754 h1.52
  text "Fiber" at 35.7,34.931 h3
  text "Optic" at 35.7,32.633 h3
  text "Sensor" at 35.7,30.336 h3
  text "MAINBOARD" at 36,28.719 h1.55
  text "Transmitter" at 16.9,27.016 h1.52
Bottom Overlay:
  drawing of 65 lines, arcs and shapes, not listed
  text "FOS-Mainboard" at 38.2,67.818 h1.5
  text "Ver1.0" at 38.498,65.922 h2
  text "20231105" at 38.5,64.618 h1.5
  text "Instrumentasi-ITS" at 38.5,63.318 h1.5
  text "By : Arya Wisnu" at 38.5,62.083 h1.5
  text "2042201080" at 38.501,60.517 h1.5
  text "github.com/aryawisnu/FiberOpticSensor" at 17.383,32 h1.5 r270
Mechanical 1:
  lines w0.254: 16.2,19.8 66.2,19.8 66.2,69.8 16.2,69.8 16.2,19.8